# Altium PCB CGRA_Board_3.PcbDoc (part 2 of 7)
Units mil, origin at the board's own origin, x right, y up, seen from the top; angles counter-clockwise.
Board outline 10143 x 5538 mil, 10 copper layers (Top Layer, GND, Int2 (Sign), 1V8, Int4 (Sign), Int5 (Sign), 0V8_OUT, Int7 (Sign), GND (Plane4), Bottom Layer), stack 59.156 mil thick; 266 components, 396 nets, 2084 pads, 2900 vias.
Unrouted connection lines stored in the file: 464.
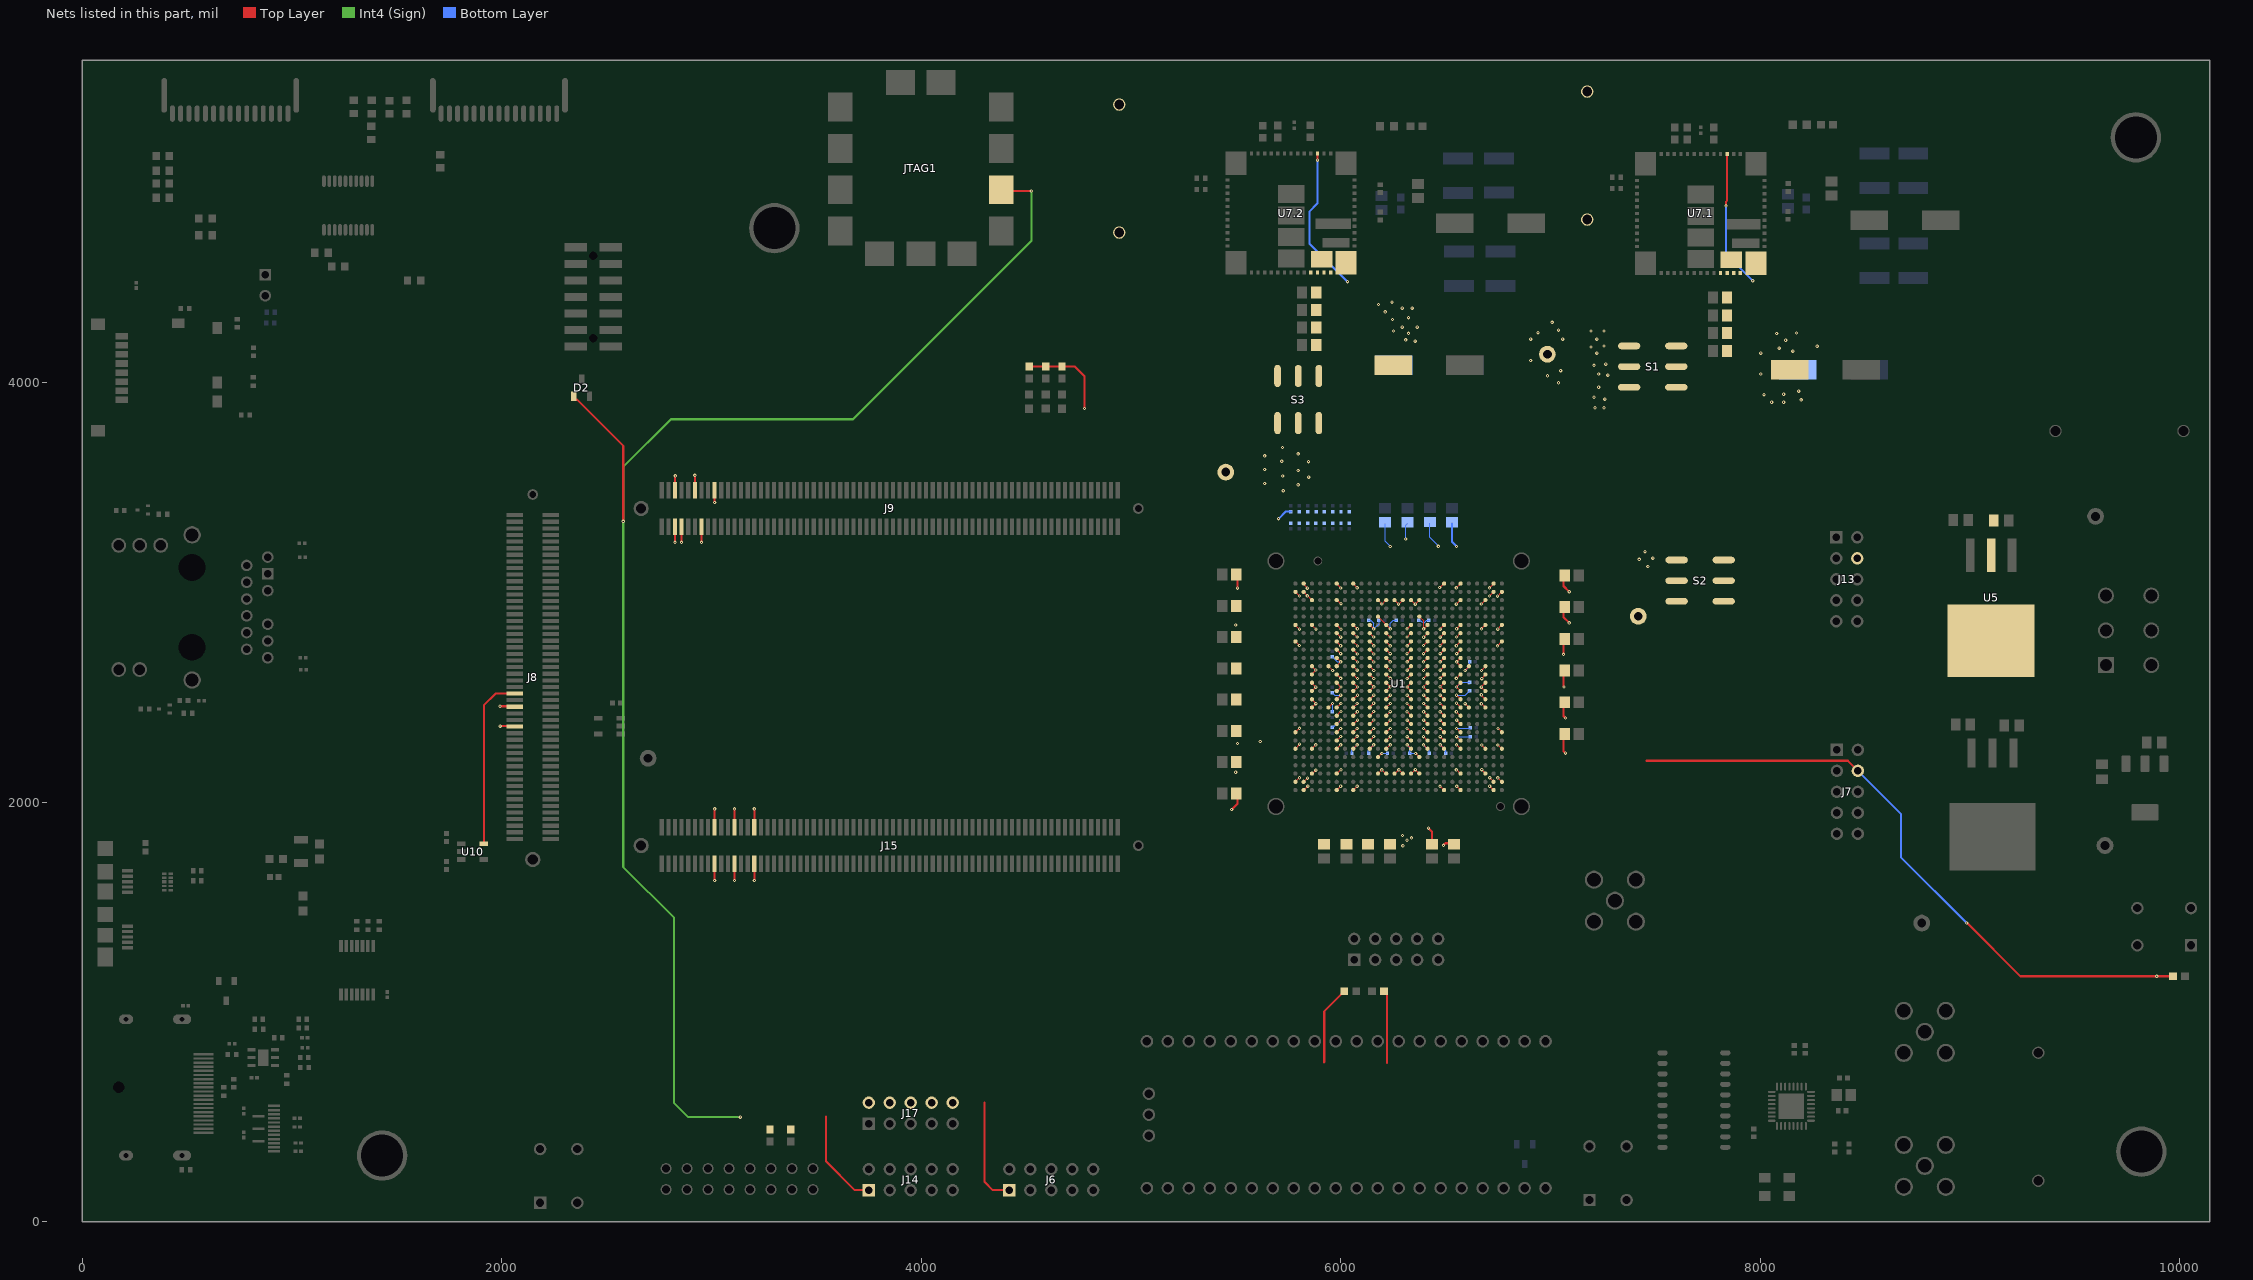
[diagram p10: the nets of this part, all layers, seen from the top]

## Footprints (in the part's own frame and the unit in brackets; to place one, negate y for a bottom-side part, rotate by r counter-clockwise, add the part's x,y. Pads: shape width x height; smd on the part's side, far side on the other; paste and mask are expansions set on the pad) (continued)
ONSC-SC-75-3-463-01_V [mil] "SOT23, 3-Leads, Body 1.6x0.8mm, Pitch 0.5mm"
  rect 20x14.02 smd: 1(-25.49,19.68) 2(-25.49,-19.69) 3(25.49,0)
  silkscreen extent -27,-31 16,44, body extent -16,-31 16,31, height 35
QFM-59 [mm]
  rect 2.85x2.55 smd paste+0 mask+0.051: 1(-6.025,6.675) 15(-6.025,-6.675) 27(6.025,-6.675) 41(6.025,6.675)
  rect 0.5x0.4 smd paste+0 mask+0.051: 2(-7.2,4.8) 3(-7.2,4) 4(-7.2,3.2) 5(-7.2,2.4) 6(-7.2,1.6) 7(-7.2,0.8) 8(-7.2,0) 9(-7.2,-0.8) 10(-7.2,-1.6) 11(-7.2,-2.4) 12(-7.2,-3.2) 13(-7.2,-4) 14(-7.2,-4.8) 28(7.2,-4.8) 29(7.2,-4) 30(7.2,-3.2) 31(7.2,-2.4) 32(7.2,-1.6) 33(7.2,-0.8) 34(7.2,0) 35(7.2,0.8) 36(7.2,1.6) 37(7.2,2.4) 38(7.2,3.2) 39(7.2,4) 40(7.2,4.8)
  rect 0.4x0.5 smd mask+0.051: 16(-4,-7.7)
  rect 0.4x0.5 smd paste+0 mask+0.051: 17(-3.2,-7.7) 18(-2.4,-7.7) 19(-1.6,-7.7) 20(-0.8,-7.7) 21(0,-7.7) 22(0.8,-7.7) 23(1.6,-7.7) 24(2.4,-7.7) 25(3.2,-7.7) 26(4,-7.7) 42(4,7.7) 43(3.2,7.7) 44(2.4,7.7) 45(1.6,7.7) 46(0.8,7.7) 47(0,7.7) 48(-0.8,7.7) 49(-1.6,7.7) 50(-2.4,7.7) 51(-3.2,7.7) 52(-4,7.7)
  rect 1.24x4.27 smd paste+0 mask+0.051: 53(1.31,5.1)
  rect 1.1x3.3 smd paste+0 mask+0.051: 54(3.6,5.45)
  rect 2x2.6 smd paste+0 mask+0.051: 55(5.6,3.7)
  rect 2.2x3.2 smd paste+0 mask+0.051: 56(5.5,0) 57(2.9,0) 58(0.3,0) 59(-2.3,0)
  Top Layer keep-out region: -3.825,4.475 -3.325,4.475 -3.325,5.325 -3.825,5.325
  Top Layer keep-out region: -3.825,5.975 -3.325,5.975 -3.325,6.825 -3.825,6.825
  Top Layer keep-out region: -0.35,4.35 0.15,4.35 0.15,5.2 -0.35,5.2
  Top Layer keep-out region: -1.375,5.975 -0.875,5.975 -0.875,6.825 -1.375,6.825
  silkscreen extent -7.9,-8.4 8,8.5
QFN50P500X500X80_HS-33N [mm] "QFN, 32-Leads, Body 5.00x5.00mm, Pitch 0.50mm, Thermal Pad 3.10x3.10mm, IPC Medium Density"
  oval 0.95x0.25 smd: 1(-2.375,1.75) 2(-2.375,1.25) 3(-2.375,0.75) 4(-2.375,0.25) 5(-2.375,-0.25) 6(-2.375,-0.75) 7(-2.375,-1.25) 8(-2.375,-1.75) 17(2.375,-1.75) 18(2.375,-1.25) 19(2.375,-0.75) 20(2.375,-0.25) 21(2.375,0.25) 22(2.375,0.75) 23(2.375,1.25) 24(2.375,1.75)
  oval 0.25x0.95 smd: 9(-1.75,-2.375) 10(-1.25,-2.375) 11(-0.75,-2.375) 12(-0.25,-2.375) 13(0.25,-2.375) 14(0.75,-2.375) 15(1.25,-2.375) 16(1.75,-2.375) 25(1.75,2.375) 26(1.25,2.375) 27(0.75,2.375) 28(0.25,2.375) 29(-0.25,2.375) 30(-0.75,2.375) 31(-1.25,2.375) 32(-1.75,2.375)
  rect 3.1x3.1 smd: 33(0,0)
  silkscreen extent -3.47,-2.7 2.7,2.7, body extent -2.55,-2.55 2.55,2.55, height 0.8
RESC0402(1005)_N [mm]
  rect 0.55x0.65 smd: 1(-0.5,0) 2(0.5,0)
  body extent -0.52,-0.27 0.53,0.28, height 0.4
RESC0603(1608)_N [mm] "Chip Resistor, Body 1.6x0.8mm, IPC Medium Density"
  rect 0.9x1 smd: 1(-0.8,0) 2(0.8,0)
  silkscreen extent -0.05,-0.4 0.05,0.4, body extent -0.85,-0.47 0.85,0.47, height 0.6
RESC1608X06N [mm] "Chip Resistor, 2-Leads, Body 1.60x0.80mm, IPC Medium Density"
  rect 0.95x0.9 smd mask+0.076: 1(-0.725,0) 2(0.725,0)
  body extent -0.85,-0.45 0.85,0.45, height 0.55
ROS-32K101-400L5_V [mm] "SMA Straight Jack, 6.35x6.35x9.5mm, Rosenberger Recommended"
  round 2.2 hole 1.65: 1(0,0) MH(-2.54,-2.54) MH(-2.54,2.54) MH(2.54,-2.54) MH(2.54,2.54)
  silkscreen extent -3.18,-3.18 3.18,3.18, body extent -3.17,-3.17 3.18,3.18, height 9.5
RPI_PICO [mil]
  round 60 hole 40.16: 1(-15760,40175) 2(-15760,40075) 3(-15760,39975) 4(-15760,39875) 5(-15760,39775) 6(-15760,39675) 7(-15760,39575) 8(-15760,39475) 9(-15760,39375) 10(-15760,39275) 11(-15760,39175) 12(-15760,39075) 13(-15760,38975) 14(-15760,38875) 15(-15760,38775) 16(-15760,38675) 17(-15760,38575) 18(-15760,38475) 19(-15760,38375) 20(-15760,38275) 21(-15060,38275) 22(-15060,38375) 23(-15060,38475) 24(-15060,38575) 25(-15060,38675) 26(-15060,38775) 27(-15060,38875) 28(-15060,38975) 29(-15060,39075) 30(-15060,39175) 31(-15060,39275) 32(-15060,39375) 33(-15060,39475) 34(-15060,39575) 35(-15060,39675) 36(-15060,39775) 37(-15060,39875) 38(-15060,39975) 39(-15060,40075) 40(-15060,40175) 41(-15510,38284.06) 42(-15410,38284.06) 43(-15310,38284.06)
  silkscreen extent -15823,38221 -14997,40229
SFW15R-2STE1LF [mm]
  oval 0.6x2 smd: 1(7,3.5) 2(6,3.5) 3(5,3.5) 4(4,3.5) 5(3,3.5) 6(2,3.5) 7(1,3.5) 8(0,3.5) 9(-1,3.5) 10(-2,3.5) 11(-3,3.5) 12(-4,3.5) 13(-5,3.5) 14(-6,3.5) 15(-7,3.5)
  oval 0.7x4.2 smd: 16(-8,1.3) 16(8,1.3)
  silkscreen extent -9.63,-2.5 9.62,3
SOIC127P800X250-20N [mm] "SOIC, 20-Leads, Body 14.30x5.40mm, Pitch 1.27mm, IPC Medium Density"
  oval 1.25x0.6 smd: 1(-3.8,5.715) 2(-3.8,4.445) 3(-3.8,3.175) 4(-3.8,1.905) 5(-3.8,0.635) 6(-3.8,-0.635) 7(-3.8,-1.905) 8(-3.8,-3.175) 9(-3.8,-4.445) 10(-3.8,-5.715) 11(3.8,-5.715) 12(3.8,-4.445) 13(3.8,-3.175) 14(3.8,-1.905) 15(3.8,-0.635) 16(3.8,0.635) 17(3.8,1.905) 18(3.8,3.175) 19(3.8,4.445) 20(3.8,5.715)
  silkscreen extent -3.92,-7.15 2.78,7.15, body extent -2.7,-7.15 2.7,7.15, height 2.5
SOP65P640X120-14N [mm]
  rect 1.45x0.45 smd: 1(-2.925,1.95) 2(-2.925,1.3) 3(-2.925,0.65) 4(-2.925,0) 5(-2.925,-0.65) 6(-2.925,-1.3) 7(-2.925,-1.95) 8(2.925,-1.95) 9(2.925,-1.3) 10(2.925,-0.65) 11(2.925,0) 12(2.925,0.65) 13(2.925,1.3) 14(2.925,1.95)
  silkscreen extent -3.65,-2.5 1.85,2.52, body extent -3.2,-2.5 3.2,2.5, height 1.2
SOT95P236X110-3N [mm] "SOT23, 3-Leads, Body 2.98x2.36mm, Pitch 0.95mm, IPC Medium Density"
  rect 1x0.65 smd: 1(-1.2,0.95) 2(-1.2,-0.95) 3(1.2,0)
  silkscreen extent -1.32,-1.65 0.7,1.95, body extent -0.7,-1.63 0.7,1.63, height 1.1
SOT95P280X110-5N [mm] "SOT23, 5-Leads, Body 2.90x2.80mm, Pitch 0.95mm, IPC Medium Density"
  rect 1x0.6 smd: 1(-1.375,0.95) 2(-1.375,0) 3(-1.375,-0.95) 4(1.375,-0.95) 5(1.375,0.95)
  silkscreen extent -1.5,-1.55 0.5,1.92, body extent -0.88,-1.52 0.87,1.53, height 1.1
SOT96P240X110-3N [mm]
  rect 1.1x0.65 smd: 1(-1.05,0.96) 2(-1.05,-0.96) 3(1.05,0)
  silkscreen extent -1.6,-1.45 0.15,1.54, body extent -1.2,-1.45 1.2,1.45, height 1.1
SOT-223 [mm]
  rrect25% 1.1x2 smd: 1(-2.3,-2.95) 2(0,-2.95) 3(2.3,-2.95)
  rrect15% 3.3x2 smd: 4(0,2.95)
  silkscreen extent -3.25,-1.55 3.25,1.55, body extent -3.3,-1.75 3.3,1.75, height 1.8
TECO-5-146280-2_V [mm] "Connector, 2-Leads, Body 4.67x2.34mm, Pitch 2.54mm"
  rect 1.4x1.4 hole 0.89: 1(-1.27,0)
  round 1.4 hole 0.89: 2(1.27,0)
  silkscreen extent -2.34,-1.17 2.34,1.94, body extent -2.34,-1.17 2.34,1.17, height 5.33
TECO-1825910-6_V [mm] "Switch, 4-Leads, Body 5.99x5.99mm"
  rect 1.5x1.5 hole 0.99: 1(-3.25,2.25)
  round 1.5 hole 0.99: 2(3.25,2.25) 3(-3.25,-2.25) 4(3.25,-2.25)
  silkscreen extent -4.67,-3 3,3, body extent -3,-2.99 2.99,3, height 5
"TEST POINT SMALL RED" [mil]
  round 80 hole 42: 1(0,0)
  silkscreen extent -60,-60 60,60, body extent -50,-50 50,50, height 180
"TI R-PUSON-N10" [mm]
  rect 0.55x0.3 smd: 1(-0.385,1) 2(-0.385,0.5) 4(-0.385,-0.5) 5(-0.385,-1) 6(0.385,-1) 7(0.385,-0.5) 9(0.385,0.5) 10(0.385,1)
  rect 0.55x0.4 smd: 3(-0.385,0) 8(0.385,0)
  silkscreen extent -1.45,-1.4 1.06,1.4, body extent -0.5,-1.25 0.5,1.25, height 0.55
TSOP65P640X120-20N [mm] "TSOP, 20-Leads, Body 6.50x4.40mm, Pitch 0.65mm, IPC Medium Density"
  oval 1.4x0.45 smd: 1(-2.95,2.925) 2(-2.95,2.275) 3(-2.95,1.625) 4(-2.95,0.975) 5(-2.95,0.325) 6(-2.95,-0.325) 7(-2.95,-0.975) 8(-2.95,-1.625) 9(-2.95,-2.275) 10(-2.95,-2.925) 11(2.95,-2.925) 12(2.95,-2.275) 13(2.95,-1.625) 14(2.95,-0.975) 15(2.95,-0.325) 16(2.95,0.325) 17(2.95,0.975) 18(2.95,1.625) 19(2.95,2.275) 20(2.95,2.925)
  silkscreen extent -3.07,-3.3 1.85,3.83, body extent -2.25,-3.3 2.25,3.3, height 1.2
"WE BEAD 0603 INDC1608X10N" [mm]
  rect 0.95x1.02 smd: 1(-0.825,0) 2(0.825,0)
  body extent -0.9,-0.5 0.9,0.5, height 1

## Part data
B1 B2 B4 B5: Supplier Part Number 1=80P3616, Supplier 1=Newark
C1 C2 C3 C4 C5 C6 C7 C8 C9 C10 C11 C12 C13 C14 C15 C16 C17 C18 C41 C42 C43 C44 C45 C46: "CAP CER 1UF 25V X7R 0805", Capacitance=1uF, Case/Package=0805, Case Code (Metric)=2012, Dielectric=X7R, Manufacturer=Yageo, Manufacturer Part Number=CC0805KKX7R8BB105, Max Operating Temperature=125°C, Min Operating Temperature=-55°C, Package Quantity=3000, Supplier Part Number 1=311-1456-1-ND, Tolerance=10%, Voltage Rating=25V, Case Code (Imperial)=0805, ComponentLink1Description=http://www.samsungsem.com/kr/support/product-search/mlcc/CL21A475KACLRNC.jsp, ComponentLink1URL=http://www.samsungsem.com/kr/support/product-search/mlcc/CL21A475KACLRNC.jsp, ComponentLink2Description=http://capacitoredge.kemet.com/capedge2/DataSheet?pn=C0805C105K3RAC7800, ComponentLink2URL=http://capacitoredge.kemet.com/capedge2/DataSheet?pn=C0805C105K3RAC7800, ComponentLink3Description=http://www.yageo.com/documents/recent/UPY-GPHC_X7R_6.3V-to-50V_18.pdf, ComponentLink3URL=http://www.yageo.com/documents/recent/UPY-GPHC_X7R_6.3V-to-50V_18.pdf, ComponentLink4Description=http://www.mouser.com/ds/2/447/Yageo_UPY-GP_NP0_16V-to-50V_9-358835.pdf, ComponentLink4URL=http://www.mouser.com/ds/2/447/Yageo_UPY-GP_NP0_16V-to-50V_9-358835.pdf, ComponentLink5Description=http://www.yageo.com/documents/recent/UPY-GPHC_X7R_6.3V-to-50V_8.pdf, ComponentLink5URL=http://www.yageo.com/documents/recent/UPY-GPHC_X7R_6.3V-to-50V_8.pdf, ComponentLink6Description=http://www.farnell.com/datasheets/1489800.pdf, ComponentLink6URL=http://www.farnell.com/datasheets/1489800.pdf, Composition=Ceramic, Depth=1.25mm, Dissipation Factor=5%, Halogen Free="Halogen Free", Height=1.25mm, Lead Free="Lead Free", Length=2mm, Mount="Surface Mount", Number of Pins=2, Packaging="Tape and Reel", Pricing 1="1=0.33, 10=0.226, 100=0.1145, 500=0.07832, 1000=0.06928 (USD)", Radiation Hardening=No, REACH SVHC="No SVHC", Stock 1=30000, Supplier 1=Digi-Key, Termination=SMD/SMT, Thickness=0.057inch, Voltage Rating (DC)=25V, Width=0.049inch
C19 C20 C21 C22 C23 C24 C25 C26 C27 C28 C29 C30 C31 C32 C96 C97 C98 C99 C100 C101 C106 C107 C108 C109 C110 C111 C112 C113 C114 C115 C116 C117 C118 C119 C120 C121: Capacitance=.1uF, Case/Package=0201, Case Code (Metric)=0603, Dielectric=X5R, Manufacturer=Samsung, Manufacturer Part Number=CL03A104KQ3NNNC, Max Operating Temperature=85°C, Min Operating Temperature=-55°C, Package Quantity=1, Supplier Part Number 1=1276-1013-1-ND, Tolerance=10%, Voltage=6.3V, Case Code (Imperial)=0201, ComponentLink1Description=http://www1.futureelectronics.com/doc/SAMSUNG/CL03A104KQ3NNNC.pdf, ComponentLink1URL=http://www1.futureelectronics.com/doc/SAMSUNG/CL03A104KQ3NNNC.pdf, ComponentLink2Description=https://www.distrelec.biz/Web/Downloads/_e/ng/MLCC_CatalogDownload2013_ENG.pdf?mime=application%2Fpdf, ComponentLink2URL=https://www.distrelec.biz/Web/Downloads/_e/ng/MLCC_CatalogDownload2013_ENG.pdf?mime=application%2Fpdf, ComponentLink3Description=https://www.verical.com/server-webapp/html/getDatasheet?partID=355266, ComponentLink3URL=https://www.verical.com/server-webapp/html/getDatasheet?partID=355266, Contact Plating=Tin, Depth=0.3mm, Height=0.3mm, Lead Free="Lead Free", Length=0.6mm, Mount="Surface Mount", Packaging="Tape and Reel", Pricing 1="1=0.1, 10=0.021, 100=0.0092, 500=0.00656, 1000=0.00516, 2500=0.00469, 5000=0.00431 (USD)", Radiation Hardening=No, Stock 1=100000, Supplier 1=Digi-Key, Thickness=0.013inch, Voltage Rating=6.3V, Voltage Rating (DC)=6.3V, Width=0.012inch
C33 C34 C35 C37 C38 C39 C40 C47 C48: "0.47uF Capacitor", Capacitance=470nF, Case Code (Imperial)=0402, Case Code (Metric)=1005, Dielectric=X5R, Manufacturer=Murata, Manufacturer Part Number=GRM155R61E225ME15D, Max Operating Temperature=85°C, Min Operating Temperature=-55°C, Package Quantity=10000, Supplier Part Number 1=490-3295-1-ND, Tolerance=20%, Voltage Rating=25V, Case/Package=0402, ComponentLink1Description=http://search.murata.co.jp/Ceramy/image/img/A01X/G101/ENG/GRM0335C1E120JA01-01.pdf, ComponentLink1URL=http://search.murata.co.jp/Ceramy/image/img/A01X/G101/ENG/GRM0335C1E120JA01-01.pdf, ComponentLink2Description=http://search.murata.co.jp/Ceramy/image/img/A01X/partnumbering_e_01.pdf, ComponentLink2URL=http://search.murata.co.jp/Ceramy/image/img/A01X/partnumbering_e_01.pdf, ComponentLink3Description=http://www1.futureelectronics.com/doc/SAMSUNG/CL03A104KQ3NNNC.pdf, ComponentLink3URL=http://www1.futureelectronics.com/doc/SAMSUNG/CL03A104KQ3NNNC.pdf, ComponentLink4Description=https://www.distrelec.biz/Web/Downloads/_e/ng/MLCC_CatalogDownload2013_ENG.pdf?mime=application%2Fpdf, ComponentLink4URL=https://www.distrelec.biz/Web/Downloads/_e/ng/MLCC_CatalogDownload2013_ENG.pdf?mime=application%2Fpdf, ComponentLink5Description=https://www.verical.com/server-webapp/html/getDatasheet?partID=355266, ComponentLink5URL=https://www.verical.com/server-webapp/html/getDatasheet?partID=355266, ComponentLink6Description=http://psearch.murata.com/capacitor/product/GCM155R71H103KA55%23.pdf, ComponentLink6URL=http://psearch.murata.com/capacitor/product/GCM155R71H103KA55%23.pdf, ComponentLink7Description=https://www.verical.com/server-webapp/html/getDatasheet?partID=27433, ComponentLink7URL=https://www.verical.com/server-webapp/html/getDatasheet?partID=27433, ComponentLink8Description=http://psearch.en.murata.com/capacitor/product/GCM155R71H103KA55%23.pdf, ComponentLink8URL=http://psearch.en.murata.com/capacitor/product/GCM155R71H103KA55%23.pdf, ComponentLink9Description=http://search.murata.co.jp/Ceramy/image/img/A01X/partnumbering_e_02.pdf, ComponentLink9URL=http://search.murata.co.jp/Ceramy/image/img/A01X/partnumbering_e_02.pdf, ComponentLink10Description=http://uk.rs-online.com/webdocs/0ef9/0900766b80ef92d0.pdf, ComponentLink10URL=http://uk.rs-online.com/webdocs/0ef9/0900766b80ef92d0.pdf, Height=0.5mm, Length=0.039inch, Mount="Surface Mount", Packaging="Tape and Reel", Pricing 1="1=0.34, 10=0.23, 100=0.1163, 500=0.0796, 1000=0.07041, 2500=0.06735, 5000=0.06123 (USD)", Stock 1=100000, Supplier 1=Digi-Key, Supplier 2=Digi-Key, Supplier Part Number 2=399-8099-1-ND, Termination=SMD/SMT, Thickness=0.022inch, Voltage Rating (DC)=25V, Weight=0.000212oz, Width=0.02inch
C36: "Multilayer Ceramic Capacitors MLCC - SMD/SMT 0402 2.2uF 25volts *Derate Voltage/Temp", Capacitance=12nF, Case Code (Imperial)=0402, Case Code (Metric)=1005, Dielectric=X5R, Manufacturer=Murata, Manufacturer Part Number=GRM155R61E225ME15D, Max Operating Temperature=85°C, Min Operating Temperature=-55°C, Package Quantity=10000, Supplier Part Number 1=399-8997-1-ND, Tolerance=20%, Voltage Rating=25V, Case/Package=0402, ComponentLink1Description=http://search.murata.co.jp/Ceramy/image/img/A01X/G101/ENG/GRM0335C1E120JA01-01.pdf, ComponentLink1URL=http://search.murata.co.jp/Ceramy/image/img/A01X/G101/ENG/GRM0335C1E120JA01-01.pdf, ComponentLink2Description=http://search.murata.co.jp/Ceramy/image/img/A01X/partnumbering_e_01.pdf, ComponentLink2URL=http://search.murata.co.jp/Ceramy/image/img/A01X/partnumbering_e_01.pdf, ComponentLink3Description=http://www1.futureelectronics.com/doc/SAMSUNG/CL03A104KQ3NNNC.pdf, ComponentLink3URL=http://www1.futureelectronics.com/doc/SAMSUNG/CL03A104KQ3NNNC.pdf, ComponentLink4Description=https://www.distrelec.biz/Web/Downloads/_e/ng/MLCC_CatalogDownload2013_ENG.pdf?mime=application%2Fpdf, ComponentLink4URL=https://www.distrelec.biz/Web/Downloads/_e/ng/MLCC_CatalogDownload2013_ENG.pdf?mime=application%2Fpdf, ComponentLink5Description=https://www.verical.com/server-webapp/html/getDatasheet?partID=355266, ComponentLink5URL=https://www.verical.com/server-webapp/html/getDatasheet?partID=355266, ComponentLink6Description=http://psearch.murata.com/capacitor/product/GCM155R71H103KA55%23.pdf, ComponentLink6URL=http://psearch.murata.com/capacitor/product/GCM155R71H103KA55%23.pdf, ComponentLink7Description=https://www.verical.com/server-webapp/html/getDatasheet?partID=27433, ComponentLink7URL=https://www.verical.com/server-webapp/html/getDatasheet?partID=27433, ComponentLink8Description=http://psearch.en.murata.com/capacitor/product/GCM155R71H103KA55%23.pdf, ComponentLink8URL=http://psearch.en.murata.com/capacitor/product/GCM155R71H103KA55%23.pdf, ComponentLink9Description=http://search.murata.co.jp/Ceramy/image/img/A01X/partnumbering_e_02.pdf, ComponentLink9URL=http://search.murata.co.jp/Ceramy/image/img/A01X/partnumbering_e_02.pdf, ComponentLink10Description=http://uk.rs-online.com/webdocs/0ef9/0900766b80ef92d0.pdf, ComponentLink10URL=http://uk.rs-online.com/webdocs/0ef9/0900766b80ef92d0.pdf, Height=0.5mm, Length=0.039inch, Mount="Surface Mount", Packaging="Tape and Reel", Pricing 1="1=0.34, 10=0.23, 100=0.1163, 500=0.0796, 1000=0.07041, 2500=0.06735, 5000=0.06123 (USD)", Stock 1=100000, Supplier 1=Digi-Key, Termination=SMD/SMT, Thickness=0.022inch, Voltage Rating (DC)=25V, Weight=0.000212oz, Width=0.02inch
C49 C162.1 C162.2: "Cap Ceramic 4.7uF 25V X5R 10% SMD 0805 85C Cardboard T/R", Capacitance=4.7uF, Case Code (Imperial)=0805, Case Code (Metric)=2012, Dielectric=X5R, Manufacturer=Samsung, Manufacturer Part Number=CL21A475KACLRNC, Max Operating Temperature=85°C, Min Operating Temperature=-55°C, Package Quantity=1, Supplier Part Number 1=1276-2415-1-ND, Tolerance=10%, Voltage Rating=25V, Case/Package=0805, ComponentLink1Description=http://www.samsungsem.com/kr/support/product-search/mlcc/CL21A475KACLRNC.jsp, ComponentLink1URL=http://www.samsungsem.com/kr/support/product-search/mlcc/CL21A475KACLRNC.jsp, Depth=1.25mm, Height=0.85mm, Length=2mm, Mount="Surface Mount", Packaging="Tape and Reel", Pricing 1="1=0.25, 10=0.171, 100=0.0867, 500=0.05932, 1000=0.05247 (USD)", Radiation Hardening=No, Stock 1=10785, Supplier 1=Digi-Key, Thickness=0.037inch, Width=0.049inch
C133 C134 C135 C136 C137 C138 C139 C140 C141 C142 C143 C144 C145 C146 C147 C148 C149 C150: library part CAP_0201
C151 C152 C153 C154 C155 C156: library part CAP_0805
C157.1 C157.2: "SML-D12U1WT86TR-ND", Capacitance=330uF, Manufacturer=Panasonic, Manufacturer Part Number=25SVF330M, Supplier Part Number 1=P122120CT-ND, Pricing 1="1=2.78, 10=2.247, 100=1.716 (USD)", Stock 1=639, Supplier 1=Digi-Key
C158.1 C158.2 C159.1 C159.2 C160.1 C160.2 C161.1 C161.2: "CAP CER 22UF 25V X7R 1812", Capacitance=22uF, Case Code (Imperial)=1812, Case Code (Metric)=4532, Dielectric=X7R, Dielectric Material=Ceramic, Manufacturer=TDK, Manufacturer Part Number=C4532X7R1E226M250KC, Max Operating Temperature=125°C, Min Operating Temperature=-55°C, Package Quantity=1, Supplier Part Number 1=445-1607-1-ND, Tolerance=20%, Voltage=25V, Case/Package=1812, ComponentLink1Description=http://search.murata.co.jp/Ceramy/image/img/A01X/G101/ENG/GRM0335C1E120JA01-01.pdf, ComponentLink1URL=http://search.murata.co.jp/Ceramy/image/img/A01X/G101/ENG/GRM0335C1E120JA01-01.pdf, ComponentLink2Description=http://search.murata.co.jp/Ceramy/image/img/A01X/partnumbering_e_01.pdf, ComponentLink2URL=http://search.murata.co.jp/Ceramy/image/img/A01X/partnumbering_e_01.pdf, ComponentLink3Description=http://www1.futureelectronics.com/doc/SAMSUNG/CL03A104KQ3NNNC.pdf, ComponentLink3URL=http://www1.futureelectronics.com/doc/SAMSUNG/CL03A104KQ3NNNC.pdf, ComponentLink4Description=https://www.distrelec.biz/Web/Downloads/_e/ng/MLCC_CatalogDownload2013_ENG.pdf?mime=application%2Fpdf, ComponentLink4URL=https://www.distrelec.biz/Web/Downloads/_e/ng/MLCC_CatalogDownload2013_ENG.pdf?mime=application%2Fpdf, ComponentLink5Description=https://www.verical.com/server-webapp/html/getDatasheet?partID=355266, ComponentLink5URL=https://www.verical.com/server-webapp/html/getDatasheet?partID=355266, ComponentLink6Description=http://uk.rs-online.com/webdocs/1532/0900766b81532cd0.pdf, ComponentLink6URL=http://uk.rs-online.com/webdocs/1532/0900766b81532cd0.pdf, ComponentLink7Description=http://www.farnell.com/datasheets/1796654.pdf, ComponentLink7URL=http://www.farnell.com/datasheets/1796654.pdf, ComponentLink8Description=https://product.tdk.com/info/en/documents/chara_sheet/C4532X7R1E226M250KC.pdf, ComponentLink8URL=https://product.tdk.com/info/en/documents/chara_sheet/C4532X7R1E226M250KC.pdf, ComponentLink9Description=http://www.mouser.com/ds/2/400/lcc_commercial_general_en-837201.pdf, ComponentLink9URL=http://www.mouser.com/ds/2/400/lcc_commercial_general_en-837201.pdf, Composition=Ceramic, Depth=3.2mm, Height=2.5mm, Lead Free="Lead Free", Length=4.5mm, Mount="Surface Mount", Number of Pins=2, Packaging="Tape and Reel", Pricing 1="1=1.29, 10=0.981, 100=0.7019 (USD)", Radiation Hardening=No, REACH SVHC="No SVHC", Stock 1=5000, Supplier 1=Digi-Key, Termination=SMD/SMT, Thickness=0.11inch, Voltage Rating=25V, Voltage Rating (DC)=25V, Weight=0.000952oz, Width=0.126inch
C163.1 C163.2 C164.1 C164.2: "CAP POLYMER 470UF 20% 16V SMD", Capacitance=470uF, Case/Package=Radial, ESR (Equivalent Series Resistance)=10mR, Leakage Current=1.504mA, Manufacturer=Panasonic, Manufacturer Part Number=25SVF330M, Max Operating Temperature=105°C, Min Operating Temperature=-55°C, Package Quantity=400, Ripple Current=6.1A, Supplier Part Number 1=P16477CT-ND, Tolerance=20%, Voltage=16V, ComponentLink1Description=https://www.verical.com/server-webapp/html/getDatasheet?partID=743667, ComponentLink1URL=https://www.verical.com/server-webapp/html/getDatasheet?partID=743667, ComponentLink2Description=http://www.farnell.com/datasheets/1734359.pdf, ComponentLink2URL=http://www.farnell.com/datasheets/1734359.pdf, ComponentLink3Description=http://www.farnell.com/datasheets/2059644.pdf, ComponentLink3URL=http://www.farnell.com/datasheets/2059644.pdf, Diameter=10mm, Dissipation Factor=12%, Height=12.6mm, Height - Seated (Max)=0.5inch, Lead Free="Lead Free", Length=12.6mm, Life (Hours)=2000Hour, Mount="Surface Mount", Number of Pins=12, Packaging="Tape and Reel", Polarity=Polar, Pricing 1="1=2.66, 10=2.147, 100=1.6399 (USD)", Radiation Hardening=No, REACH SVHC="No SVHC", Ripple Current (AC)=6.1A, Stock 1=6872, Supplier 1=Digi-Key, Termination=SMD/SMT, Voltage Rating=16V, Voltage Rating (DC)=16V